# Altium PCB 数控_1.PcbDoc
Units mil, origin at the board's own origin, x right, y up, seen from the top; angles counter-clockwise.
Board outline 6000 x 4000 mil, 2 copper layers (Top Layer, Bottom Layer); 41 components, 70 nets, 214 pads, 0 vias.
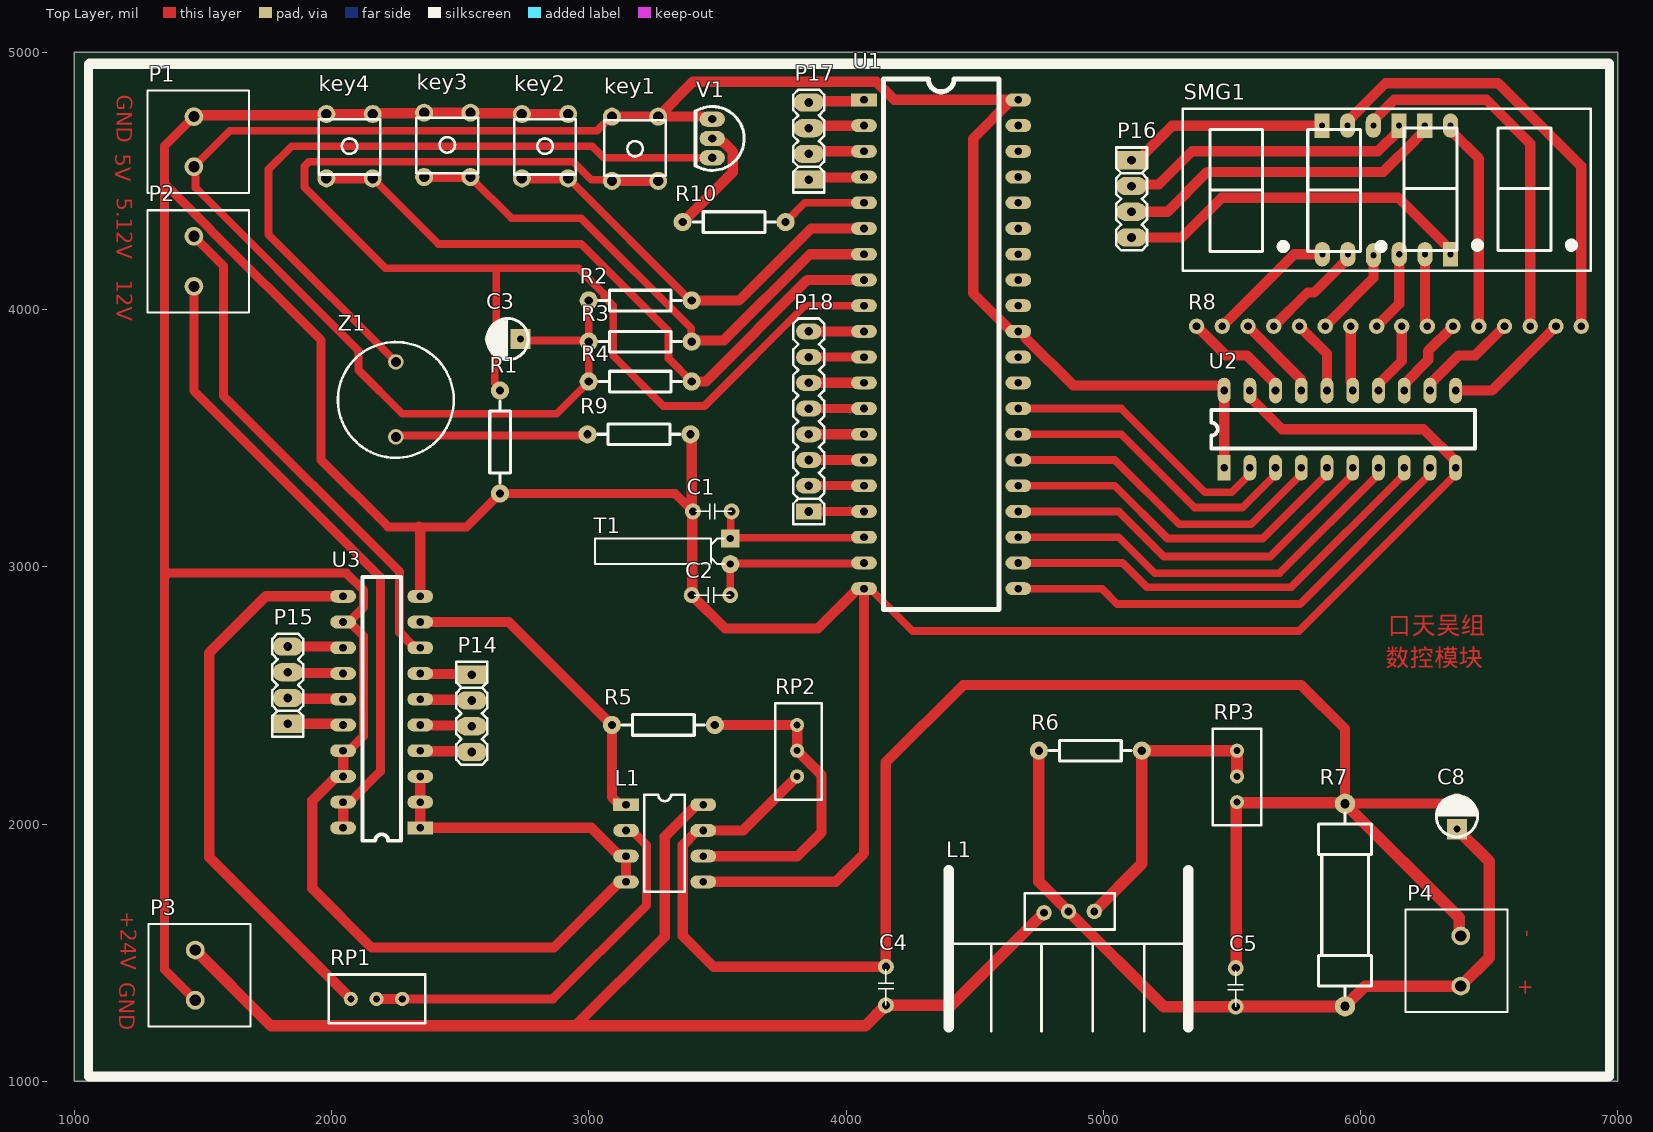
[diagram p0: Top Layer view]
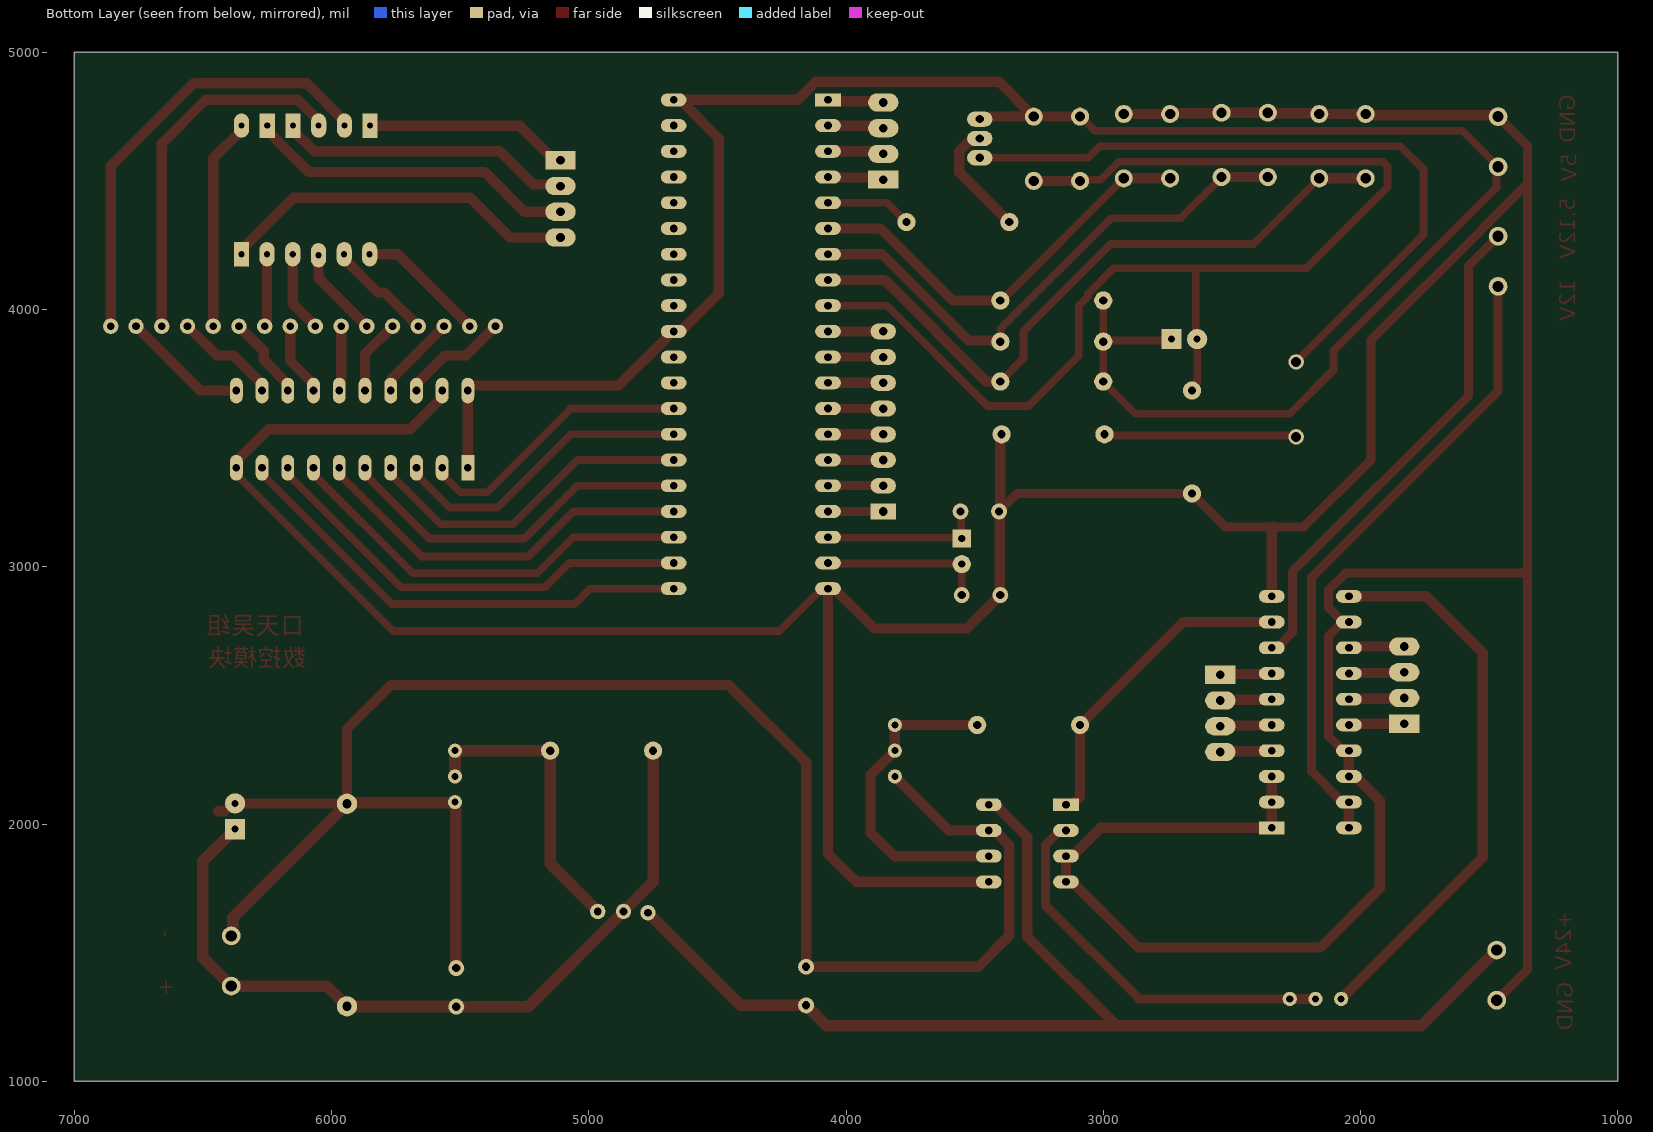
[diagram p1: Bottom Layer view, seen from below]
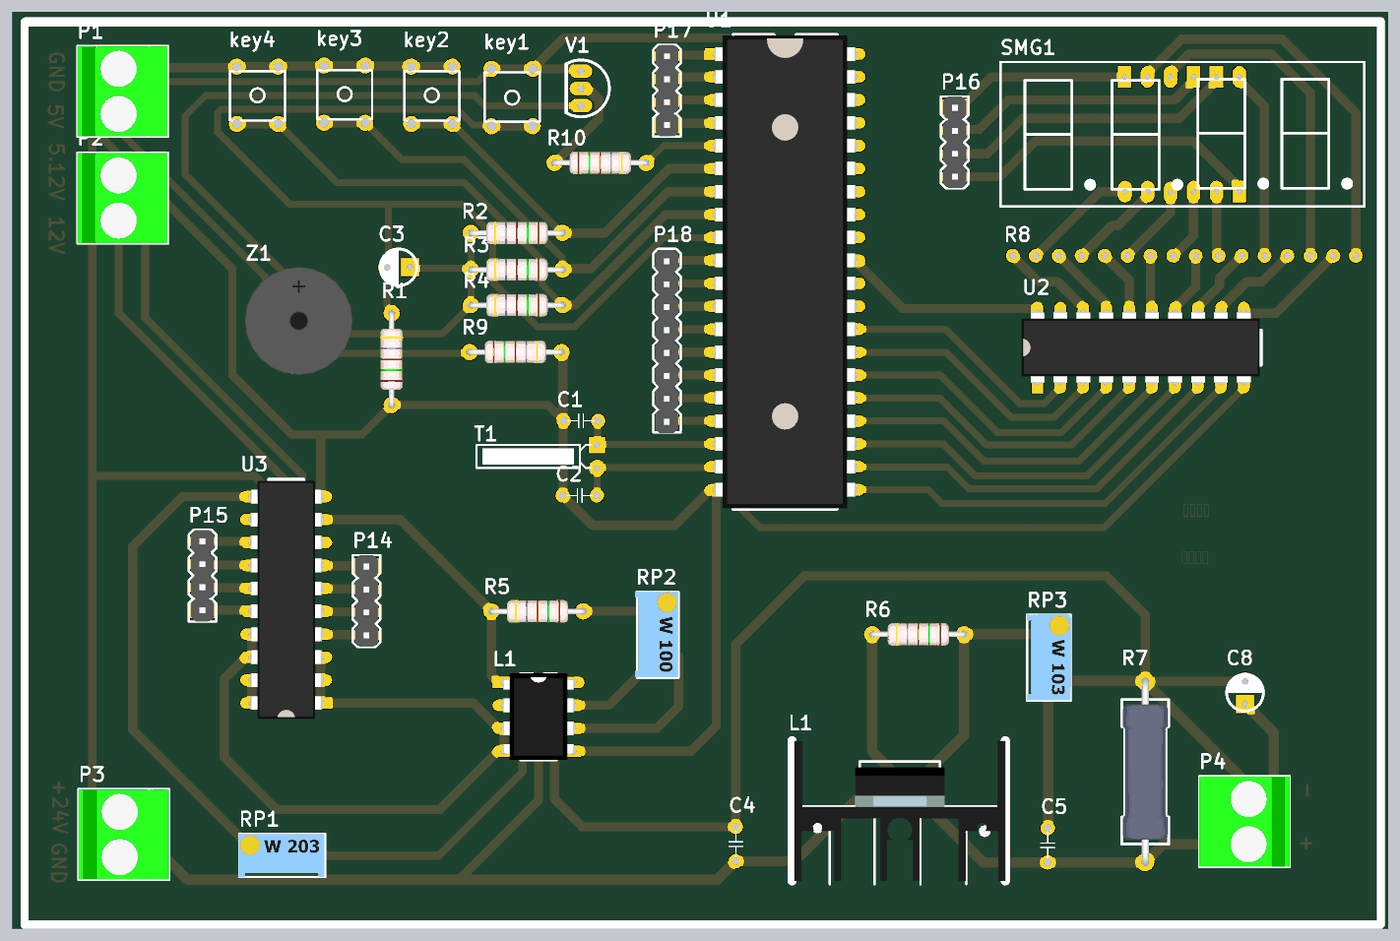
[diagram p2: 3D render of the assembled board from above, using the file's embedded part models]

## Layer stack, top to bottom
Top Solder: solder mask 0.4, Solder Resist, Dk 3.5
Top Layer: signal copper 1.4
Dielectric 1: dielectric 12.6, FR-4, Dk 4.8
Bottom Layer: signal copper 1.4
Bottom Solder: solder mask 0.4, Solder Resist, Dk 3.5

## Board outline
1000,1000 7000,1000 7000,5000 1000,5000

## Design rules (kind name [scope] priority, off if disabled: settings)
Clearance [All] p1: gap=10 ignorepadtopadclearanceinfootprint=FALSE except(0: Arc-Hole Track-Hole SMDPad-Hole THPad-Hole Via-Hole Fill-Hole Poly-Hole Region-Hole Text-Hole)
PolygonConnect [All] p1: connectstyle=Relief reliefconductorwidth=10 reliefentries=4 polygonreliefangle="90 Angle" airgapwidth=10
RoutingVias [All] p1: holewidth=28 width=50 viastyle="Through Hole" minholewidth=28 minwidth=50 maxholewidth=28 maxwidth=50
SolderMaskExpansion [All] p1: expansion=4 istentingtop=FALSE
Width [All] p1: maxlimit=80 minlimit=30 preferedwidth=40 minimp=50.000000 maximp=50.000000 favimp=50.000000
30 further rules are at their usual default settings.

## Components (designator, comment, footprint, x,y, rotation, side; value= is the part's Value field where it differs from the comment)
C1 "22P" 电容_瓷片 3480,3215 r0 top
C2 "22P" 电容_瓷片 3475,2890 r0 top
C3 "10uf" 电解电容_小 2685,3890 r180 top
C4 "0.1μF" 电容_瓷片 4155,1370 r270 top
C5 "1μF" 电容_瓷片 5515,1365 r270 top
C8 "220uf" 电解电容_小 6380,2030 r90 top
key1 "KEY_1" AN66 3180,4625 r180 top
key2 "KEY_1" AN66 2830,4635 r0 top
key3 "KEY_1" AN66 2450,4640 r0 top
key4 "KEY_1" AN66 2070,4635 r0 top
L1 "LM258" DIP8 3145,2075 r270 top
L1 "LM317_Adj" 7805散热器 4965,1660 r180 top
P1 "电源端子2P" "端子 - duplicate" 1465,4750 r0 top
P2 "电源端子2P" "端子 - duplicate" 1465,4285 r0 top
P3 "电源端子2P" "端子 - duplicate" 1470,1510 r0 top
P4 "电源端子2P" "端子 - duplicate" 6390,1370 r180 top
P14 "Header_4" Header_4 2545,2430 r270 top
P15 "Header_4" Header_4 1830,2540 r90 top
P16 "Header_4" Header_4 5110,4430 r270 top
P17 "Header_4" Header_4 3855,4655 r90 top
P18 "Header_8" Header_8 3855,3565 r90 top
R1 "10k" 1/4WA1 2655,3685 r270 top value=10K
R2 "10k" 1/4WA1 3000,4035 r0 top value=10K
R3 "10k" 1/4WA1 3000,3875 r0 top value=10K
R4 "10k" 1/4WA1 3000,3720 r0 top value=10K
R5 "1k" 1/4WA1 3090,2385 r0 top value=10K
R6 "200" 1/4WA1 4750,2285 r0 top value=10K
R7 "10" AXIAL-20*5MM-W 5940,1685 r90 top value=10K
R8 "100" "RES_PACK - 2" 5362.76,3935 r0 top value=10K
R9 "100" 1/4WA1 3395,3515 r180 top value=10K
R10 "100" 1/4WA1 3765,4340 r180 top value=10K
RP1 "20k" 3296-203 2075,1320 r0 top value=10K
RP2 "10k" 3296-100 3810,2385 r270 top value=10K
RP3 "500" 3296-103 5520,2285 r270 top value=10K
SMG1 "数码管" "4IN1B - 0.4英寸" 6305,4800 r0 top
T1 "11.0592KHZ" 晶振_小 3400,3060 r270 top
U1 "STC89C52" DIP40 4370,3865 r270 top
U2 "74HC245" DIP20 5470,3385 r0 top
U3 "DAC0832" DIP20 2345,1985 r90 top
V1 "9012" 三极管PNP 3480,4665 r270 top
Z1 "BUZZER" BUZZER 2250,3796.34 r180 top

## Footprints (in the part's own frame and the unit in brackets; to place one, negate y for a bottom-side part, rotate by r counter-clockwise, add the part's x,y. Pads: shape width x height; smd on the part's side, far side on the other; paste and mask are expansions set on the pad)
1/4WA1 [mm]
  round 1.8 hole 0.813: 1(0,0) 2(10.16,0)
  silkscreen extent 1.02,-1.02 9.14,1.02, body extent -0.27,-1.28 10.49,1.24, height 2
"4IN1B - 0.4英寸" [mm]
  oval 1.5x2.4 hole 0.6: a(-9.017,-2.159) b(1.143,-2.159) c(-3.917,-14.859) d(-8.997,-14.859) dp(-6.457,-14.959) e(-11.517,-14.859) f(-6.477,-2.159) g(-1.377,-14.859)
  rect 1.5x2.4 hole 0.6: H1(-11.557,-2.159) H2(-3.937,-2.159) H3(-1.397,-2.159) H4(1.143,-14.859)
  silkscreen extent -25.3,-16.5 15,-0.5
3296-100 [mm]
  round 1.4 hole 0.7: 1(0,0) 2(5.08,0) 3(2.54,0)
  silkscreen extent -2.16,-2.16 7.37,2.41, body extent -2.22,-2.41 7.3,2.41, height 11.73
3296-103 [mm]
  round 1.4 hole 0.7: 1(0,0) 2(5.08,0) 3(2.54,0)
  silkscreen extent -2.16,-2.41 7.37,2.41, body extent -2.22,-2.41 7.3,2.41, height 11.73
3296-203 [mm]
  round 1.4 hole 0.7: 1(0,0) 2(5.08,0) 3(2.54,0)
  silkscreen extent -2.16,-2.39 7.37,2.41, body extent -2.22,-2.42 7.3,2.41, height 11.63
7805散热器 [mil]
  round 60 hole 30: 1(0,0) 2(100,0) 3(195,5)
  silkscreen extent -365,-160 565,465, body extent -366,-160 556,450, height 976
AN66 [mil]
  round 70 hole 40: 1(-90,125) 1(90,125) 2(-90,-125) 2(90,-125)
  silkscreen extent -120,-110 120,105
AXIAL-20*5MM-W [mm] "2W电阻"
  round 2 hole 0.9: 1(-10,0) 2(10,0)
  silkscreen extent -8.98,-2.6 9.07,2.6, body extent -10.43,-2.51 10.37,2.49, height 5.8
BUZZER [mil]
  round 60 hole 39: 1(0,0) 2(0,291.34)
  silkscreen extent -225,-77 225,373, body extent -236,-91 236,381, height 299
DIP8 [mil]
  rect 50x100 hole 30: 1(0,0)
  oval 50x100 hole 30: 2(100,0) 3(200,0) 4(300,0) 5(300,300) 6(200,300) 7(100,300) 8(0,300)
  silkscreen extent -39,71 339,229, body extent -39,-5 339,305, height 173
DIP20 [mil]
  rect 50x100 hole 30: 1(0,0)
  oval 50x100 hole 30: 2(100,0) 3(200,0) 4(300,0) 5(400,0) 6(500,0) 7(600,0) 8(700,0) 9(800,0) 10(900,0) 11(900,300) 12(800,300) 13(700,300) 14(600,300) 15(500,300) 16(400,300) 17(300,300) 18(200,300) 19(100,300) 20(0,300)
  silkscreen extent -50,75 975,225, body extent -70,-5 970,305, height 169
DIP40 [mil]
  rect 50x100 hole 30: 1(-950,-300)
  oval 50x100 hole 30: 2(-850,-300) 3(-750,-300) 4(-650,-300) 5(-550,-300) 6(-450,-300) 7(-350,-300) 8(-250,-300) 9(-150,-300) 10(-50,-300) 11(50,-300) 12(150,-300) 13(250,-300) 14(350,-300) 15(450,-300) 16(550,-300) 17(650,-300) 18(750,-300) 19(850,-300) 20(950,-300) 21(950,300) 22(850,300) 23(750,300) 24(650,300) 25(550,300) 26(450,300) 27(350,300) 28(250,300) 29(150,300) 30(50,300) 31(-50,300) 32(-150,300) 33(-250,300) 34(-350,300) 35(-450,300) 36(-550,300) 37(-650,300) 38(-750,300) 39(-850,300) 40(-950,300)
  silkscreen extent -1031,-225 1031,225, body extent -1031,-306 1032,306, height 197
Header_4 [mm] "插针"
  rect 1.8x3 hole 0.85: 1(-3.81,0)
  oval 1.8x3 hole 0.85: 2(-1.27,0) 3(1.27,0) 4(3.81,0)
  silkscreen extent -5.08,-1.52 5.08,1.52, body extent -5.08,-1.27 5.08,1.27, height 8.54
Header_8 [mm] "插针"
  rect 1.575x2.5 hole 0.85: 1(-8.89,0)
  oval 1.575x2.5 hole 0.85: 2(-6.35,0) 3(-3.81,0) 4(-1.27,0) 5(1.27,0) 6(3.81,0) 7(6.35,0) 8(8.89,0)
  silkscreen extent -10.16,-1.52 10.16,1.52, body extent -10.26,-1.24 10.06,1.3, height 8.54
"RES_PACK - 2" [mil]
  round 60 hole 30: 1(0,0) 2(100,0) 3(200,0) 4(300,0) 5(400,0) 6(500,0) 7(600,0) 8(700,0) 9(797.24,0) 10(897.24,0) 11(997.24,0) 12(1097.24,0) 13(1197.24,0) 14(1297.24,0) 15(1397.24,0) 16(1495.67,0)
  body extent -42,-26 1540,25, height 10
三极管PNP [mm] "三极管PNP"
  oval 1.5x2.5 hole 0.8: B(0,0) C(1.905,0) E(-1.905,0)
  silkscreen extent -3.15,-1.7 3.15,3.15
晶振_小 [mm] "晶振"
  rect 1.8x1.8 hole 0.7: 1(-1.27,3.81)
  round 1.8 hole 0.7: 2(1.27,3.81)
  rect 1.778x10.16 on Top Overlay: 3(0,-3.81)
  silkscreen extent -1.27,-9.53 1.27,3.18
电容_瓷片 [mil] "电容"
  round 62 hole 32: 1(-75,0) 2(75,0)
  silkscreen extent -65,-30 75,30
电解电容_小 [mm] "电解电容"
  rect 2x2 hole 0.7: 1(-1.27,0.127)
  round 2 hole 0.7: 2(1.27,0.127)
  silkscreen extent -2.03,-1.91 2.03,2.16
"端子 - duplicate" [mm] "2"
  round 1.85 hole 1.1: 1(0,0) 2(0,-4.953)
  silkscreen extent -4.6,-7.54 5.46,2.57, body extent -4.56,-7.49 5.44,2.51, height 14.45

## Part data
C1 C2 C4 C5: library part 电容_瓷片, "瓷片电容"
C3 C8: library part 电解电容_小, "电解电容"
L1: library part LM317, "可调直流稳压芯片"
P1 P2 P3 P4: "电源端子", =电源端子2P
P14 P15 P16 P17 P18: "插针"
  P14 P15 P16 P17: Comm=插针4
  P18: Comm=插针8
R1 R2 R3 R4 R5 R6 R9 R10: library part Res_3, "1/4W电阻器", Package Description=AXIAL0.3-AXIA1.0, Package Reference=AXIAL, Component Link1Description=元件数据连接1，一般是生产厂商的元件描述连接。, Component Link 1URL=元件厂商的网站连接1，通常是主页地址，如http://www.st.com/, Component Link 2URL=元件厂商的网站连接2，通常是元件数据说明文件地址，如http://www.fairchildsemi.com/ds/2N%2F2N3904.pdf, ComponentLink2  Description=元件数据连接2，一般是生产厂商的元件数据库连接。, Created=制造厂商, Datasheet Version=Apr-2016, Kind=General, Latest Revision Date=13-Apr-2016, Latest Revision Note=最近的应用笔记修订本, LatestRevisionDate=13-Apr-2016, Object=Resistor, PackageVersion=Apr-2016, Published=13-Apr-2016, Publisher="Altium Limited", Spice Prefix=R, SubKind=Resistor, Type=Resistor
R7: library part Res_7, "5W电阻器", Package Description=AXIAL0.3-AXIA1.0, Package Reference=AXIAL, Component Link1Description=元件数据连接1，一般是生产厂商的元件描述连接。, Component Link 1URL=元件厂商的网站连接1，通常是主页地址，如http://www.st.com/, Component Link 2URL=元件厂商的网站连接2，通常是元件数据说明文件地址，如http://www.fairchildsemi.com/ds/2N%2F2N3904.pdf, ComponentLink2  Description=元件数据连接2，一般是生产厂商的元件数据库连接。, Created=制造厂商, Datasheet Version=Apr-2016, Kind=General, Latest Revision Date=13-Apr-2016, Latest Revision Note=最近的应用笔记修订本, LatestRevisionDate=13-Apr-2016, Object=Resistor, PackageVersion=Apr-2016, Published=13-Apr-2016, Publisher="Altium Limited", Spice Prefix=R, SubKind=Resistor, Type=Resistor
R8: library part Res_Pack8, "排阻", Package Description=AXIAL0.3-AXIA1.0, Package Reference=AXIAL, Component Link1Description=元件数据连接1，一般是生产厂商的元件描述连接。, Component Link 1URL=元件厂商的网站连接1，通常是主页地址，如http://www.st.com/, Component Link 2URL=元件厂商的网站连接2，通常是元件数据说明文件地址，如http://www.fairchildsemi.com/ds/2N%2F2N3904.pdf, ComponentLink2  Description=元件数据连接2，一般是生产厂商的元件数据库连接。, Created=制造厂商, Datasheet Version=Apr-2016, Kind=General, Latest Revision Date=13-Apr-2016, Latest Revision Note=最近的应用笔记修订本, LatestRevisionDate=13-Apr-2016, Object=Resistor, PackageVersion=Apr-2016, Published=13-Apr-2016, Publisher="Altium Limited", Spice Prefix=R, SubKind=Resistor, Type=Resistor
RP1 RP2 RP3: library part RESVR, "滑动触点电位器", Package Description=AXIAL0.3-AXIA1.0, Package Reference=AXIAL, Component Link1Description=元件数据连接1，一般是生产厂商的元件描述连接。, Component Link 1URL=元件厂商的网站连接1，通常是主页地址，如http://www.st.com/, Component Link 2URL=元件厂商的网站连接2，通常是元件数据说明文件地址，如http://www.fairchildsemi.com/ds/2N%2F2N3904.pdf, ComponentLink2  Description=元件数据连接2，一般是生产厂商的元件数据库连接。, Created=制造厂商, Datasheet Version=Apr-2016, Kind=General, Latest Revision Date=13-Apr-2016, Latest Revision Note=最近的应用笔记修订本, LatestRevisionDate=13-Apr-2016, Object=Resistor, PackageVersion=Apr-2016, Published=13-Apr-2016, Publisher="Altium Limited", Spice Prefix=R, SubKind=Resistor, Type=Resistor
SMG1: library part 4位数码管
T1: library part 晶振_小, "晶振"
U1: "51系列单片机", Package Description=DIP-40, Component Link1Description=元件数据连接1，一般是生产厂商的元件描述连接。, Component Link 1URL=元件厂商的网站连接1，通常是主页地址，如http://www.st.com/, Component Link 2URL=元件厂商的网站连接2，通常是元件数据说明文件地址，如http://www.fairchildsemi.com/ds/2N%2F2N3904.pdf, ComponentLink2  Description=元件数据连接2，一般是生产厂商的元件数据库连接。, Created=制造厂商, Datasheet Version=Jun-2016, Kind=General, Latest Revision Date=5-Jun-2016, Latest Revision Note=最近的应用笔记修订本, Published=5-Jun-2016, Publisher="Altium Limited", Spice Prefix=U, SubKind=Chip
U2: "总线驱动器"
U3: "数模转换器件", Package Description=封装描述, Component Link1Description=元件数据连接1，一般是生产厂商的元件描述连接。, Component Link 1URL=元件厂商的网站连接1，通常是主页地址，如http://www.st.com/, Component Link 2URL=元件厂商的网站连接2，通常是元件数据说明文件地址，如http://www.fairchildsemi.com/ds/2N%2F2N3904.pdf, ComponentLink2  Description=元件数据连接2，一般是生产厂商的元件数据库连接。, Created=制造厂商, Datasheet Version=Apr-2016, Kind=General, Latest Revision Date=14-Apr-2016, Latest Revision Note=最近的应用笔记修订本, LatestRevisionDate=5-Sep-2016, Published=14-Apr-2016, Publisher="Altium Limited", Spice Prefix=U, SubKind=Chip, 价格=0.0
V1: library part 9012三极管, "PNP三极管"
Z1: "蜂鸣器"

## Nets (pads, with @x,y where several pads share a name; then routed paths per layer and width w, separated by ;. In a path a pad name is that pad's centre, name@x,y a point inside that pad or via, vN(x,y) a via of type N, cw(c..) or ccw(c..) an arc to the next point about the centre after c; other vN are vias at no path point)
5.12v: P2.1 U3.8 | length 1981.8
  Top Layer w35: P2.1 1580,4170 1580,3665 2265,2980 2265,2745 2312.5,2697.5 2312.5,2696.56 2324.06,2685 U3.8@2325,2685
  Top Layer w40: U3.8@2320,2685 U3.8
5v: C3.1 key1.2 P1.2 R2.1 R3.1 R4.1 U1.31 U1.40 U2.1 U2.20 V1.E | length 8507.8
  Top Layer w30: C3.1 2740,3880 2995,3880 R3.1 ; R2.1 R3.1 ; key1.2@3090,4750 3086.86,4750 3031.86,4695 1605,4695 P1.2 1471.42,4548.58 1471.42,4473.58 2105,3840 2105,3765 2275,3595 2875,3595 R4.1 R3.1
  Top Layer w40: key1.2@3090,4750 key1.2@3270,4750 ; V1.E 3455.16,4740 3445.16,4750 key1.2@3270,4750 ; U1.40 U1.40@4645,4815 ; U2.1 5470,3700.38 5465.38,3705 4882.78,3705 4696.91,3890.87 4696.91,3910.38 4692.29,3915 4642.29,3915 4495,4062.29 4495,4665 U1.40@4645,4815 ; key1.2@3270,4750 3405,4885 4117.43,4885 4187.43,4815 U1.40@4645,4815
12v: P2.2 U3.19 U3.20 | length 2480
  Top Layer w35: P2.2 1465,3685 2190,2960 2190,2205 U3.19@2070,2085
  Top Layer w40: U3.20 U3.19 U3.19@2070,2085
24v: C4.2 L1.3@4770,1655 L1.8 P3.1 | length 4685
  Top Layer w35: L1.8@3420,2075 L1.8
  Top Layer w40: 2947.79,1215 3295,1562.21 3295,1950 L1.8@3420,2075
  Top Layer w45: P3.1 1765,1215 2947.79,1215 4075,1215 C4.2 4410,1295 L1.3@4770,1655
a: R8.16 SMG1.a | length 1742.7
  Top Layer w40: SMG1.a 5950,4732.72 6097.28,4880 6535,4880 6858.43,4556.57 R8.16
A0: U1.28 U2.2 | length 1088.6
  Top Layer w30: U1.28 5070,3615 5395,3290 5500,3290 U2.2@5570,3360
  Top Layer w40: U2.2@5570,3360 U2.2
A1: U1.27 U2.3 | length 1196.9
  Top Layer w30: U1.27 5070,3515 5355,3230 5540,3230 U2.3@5670,3360
  Top Layer w40: U2.3@5670,3360 U2.3
A2: U1.26 U2.4 | length 1309.3
  Top Layer w30: U1.26 5045,3415 5295,3165 5575,3165 U2.4@5770,3360
  Top Layer w40: U2.4@5770,3360 U2.4
A3: U1.25 U2.5 | length 1413.5
  Top Layer w30: U1.25 5045,3315 5250,3110 5620,3110 U2.5@5870,3360
  Top Layer w40: U2.5@5870,3360 U2.5
A4: U1.24 U2.6 | length 1530
  Top Layer w30: U1.24 5060,3215 5235,3040 5650,3040 U2.6@5970,3360
  Top Layer w40: U2.6@5970,3360 U2.6
A5: U1.23 U2.7 | length 1642.5
  Top Layer w30: U1.23 5060,3115 5200,2975 5685,2975 U2.7@6070,3360
  Top Layer w40: U2.7@6070,3360 U2.7
A6: U1.22 U2.8 | length 1746.6
  Top Layer w30: U1.22 5075,3015 5170,2920 5730,2920 U2.8@6170,3360
  Top Layer w40: U2.8@6170,3360 U2.8
A7: U1.21 U2.9 | length 1859
  Top Layer w30: U1.21 4995,2915 5055,2855 5765,2855 U2.9@6270,3360
  Top Layer w40: U2.9@6270,3360 U2.9
b: R8.12 SMG1.b | length 825.6
  Top Layer w40: SMG1.b 6350,4697.28 6460,4587.28 R8.12
c: R8.8 SMG1.c | length 316.5
  Top Layer w40: R8.8 6150.79,4023.03 SMG1.c
d: R8.4 SMG1.d | length 414.4
  Top Layer w40: R8.4 5793.99,4066.23 5819.74,4066.23 5950.79,4197.28 SMG1.d
DEEP: R10.1 U1.5 | length 336.1
  Top Layer w30: R10.1 3840,4415 U1.5
dp: R8.6 SMG1.dp | length 353.9
  Top Layer w40: R8.6 6050.79,4123.03 SMG1.dp
e: R8.2 SMG1.e | length 504.8
  Top Layer w40: R8.2 5742.76,4215 SMG1.e
f: R8.14 SMG1.f | length 1443.1
  Top Layer w40: SMG1.f 6050,4734.2 6130.8,4815 6490,4815 6660,4645 R8.14
g: R8.10 SMG1.g | length 283.8
  Top Layer w40: SMG1.g 6250.79,3949.62 6260,3940.41 R8.10
GND: C1.1 C2.1 key2.1 key3.1 key4.1 L1.3@3145,1875 L1.4 L1.5 P1.1 P3.2 R1.2 R9.1 U1.20 U2.10 U2.19 U3.1 U3.2 U3.3 U3.10 U3.12 U3.17 U3.18 | length 19683
  Top Layer w30: U1.20@4095,2915 4260,2750 5760,2750 U2.10@6370,3360
  Top Layer w35: P1.1 1350,4635 1350,4485 ; P3.2 1350,1435 1350,2960 ; U3.17@2067.29,2285 2125,2342.71 2125,2730 U3.12@2070,2785 ; U3.12@2067.29,2785 2125,2842.71 2125,2907.78 2057.78,2975 1365,2975 1350,2960 ; C1.1 3400.79,3219.21 3335,3285 R1.2 2525,3155 2340,3155 2220,3155 1960,3415 1960,3880 1528.92,4311.08 1528.92,4311.48 1355.39,4485 1350,4485 ; 1350,2960 1350,4485
  Top Layer w40: P1.1 1470,4755 1975,4755 1980,4760 2160,4760 2162.5,4762.5 2357.5,4762.5 2360,4765 2540,4765 2542.5,4762.5 2737.5,4762.5 2740,4760 key2.1@2920,4760 ; U3.12 2067.29,2785 U3.12@2070,2785 ; U3.17@2067.29,2285 U3.17 U3.18 2020,2185 1925,2090 1925,1750 2155,1520 2865,1520 3120,1775 L1.4 3145,1875 3120,1875 3010,1985 U3.1 U3.2 U3.3 ; 2340,3155 2345,3150 U3.10 U3.10@2370,2885 ; R9.1 3400.79,3509.21 C1.1@3400.79,3219.21 ; C1.1 3402.5,3212.5 3402.5,2892.5 C2.1 3530,2760 3890,2760 4045,2915 U1.20 ; L1.5 3960,1775 4070,1885 U1.20 ; U1.20@4095,2915 U1.20 ; U2.19 5570,3660 5695,3535 6245,3535 6370,3410 U2.10 U2.10@6370,3360
H1: P16.1 SMG1.H1 | length 795.9
  Top Layer w40: P16.1 5133.62,4580 5268.62,4715 SMG1.H1
H2: P16.2 SMG1.H2 | length 1161.2
  Top Layer w40: P16.2 5115.91,4485.91 5215.91,4485.91 5345,4615 6067.72,4615 6150,4697.28 SMG1.H2 SMG1.H2@6140.47,4705.47
H3: P16.3 SMG1.H3 | length 1290
  Top Layer w40: P16.3 5250,4380 5405,4535 6089.2,4535 6212.19,4657.99 6212.19,4659.47 6250,4697.28 SMG1.H3
H4: P16.4 SMG1.H4 | length 1405.7
  Top Layer w40: P16.4 5305,4280 5460,4435 6147.72,4435 6350,4232.72 SMG1.H4
K1: key2.2 R2.2 U1.6 | length 1642.7
  Top Layer w30: key2.2@2920,4510 3395,4035 R2.2
  Top Layer w40: key2.2@2740,4510 key2.2@2920,4510 ; R2.2 3584.37,4035 3864.37,4315 U1.6
K2: key3.2 R3.2 U1.7 | length 2145.2
  Top Layer w30: key3.2@2540,4515 2700,4355 2970,4355 3398.13,3926.87 3398.13,3876.87 R3.2
  Top Layer w40: key3.2@2360,4515 key3.2@2540,4515 ; R3.2 3405,3880 3525,3880 3860,4215 U1.7
K3: key4.2 R4.2 U1.8 | length 2642.4
  Top Layer w30: key4.2@2160,4510 2415,4255 2667.93,4255 2970,4255 3310,3915 3310,3810 R4.2
  Top Layer w40: key4.2@1980,4510 key4.2@2160,4510 ; R4.2 3455,3720 3850,4115 U1.8
NetC5_2: C5.2 C8.1 L1.2@4865,1660 P4.1 R6.1 R7.1 | length 3091.4
  Top Layer w35: C5.2 C5.2@5515.65,1290.65 ; R7.1@5939.35,1290.65 R7.1
  Top Layer w45: R6.1 4750,1775 4865,1660 5235,1290 C5.2 ; C5.2@5515.65,1290.65 R7.1@5939.35,1290.65 ; R7.1 6018.7,1370 P4.1 6500,1480 6500,1855 C8.1
NetL1_1: L1.1@4965,1660 R6.2 RP3.1 RP3.3 | length 1171.6
  Top Layer w45: L1.1@4965,1660 5150,1845 R6.2 RP3.1 RP3.3
NetL1_2: L1.2@3145,1975 RP1.2 RP1.3 | length 1537.4
  Top Layer w35: RP1.2 2860,1320 3225,1685 3225,1917.29 L1.2@3167.29,1975
  Top Layer w40: RP1.3 RP1.2 ; L1.2@3145,1975 L1.2@3167.29,1975
NetL1_6: L1.6 R5.2 RP2.1 RP2.3 | length 1274.6
  Top Layer w40: L1.6 3811.57,1875 3905,1968.43 3905,2190 RP2.3 RP2.1 R5.2
NetP14_1: P14.1 U3.7 | length 202.1
  Top Layer w40: U3.7 2346.91,2583.09 2541.91,2583.09 P14.1
NetP14_2: P14.2 U3.6 | length 202.1
  Top Layer w40: U3.6 2346.91,2483.09 2541.91,2483.09 P14.2
NetP14_3: P14.3 U3.5 | length 202.1
  Top Layer w40: U3.5 2346.91,2383.09 2541.91,2383.09 P14.3
NetP14_4: P14.4 U3.4 | length 202.1
  Top Layer w40: U3.4 2346.91,2283.09 2541.91,2283.09 P14.4
NetP15_1: P15.1 U3.16 | length 217.1
  Top Layer w40: P15.1 2012.29,2390 2017.29,2385 U3.16
NetP15_2: P15.2 U3.15 | length 217.1
  Top Layer w40: P15.2 1833.09,2486.91 2043.09,2486.91 U3.15
NetP15_3: P15.3 U3.14 | length 217.1
  Top Layer w40: P15.3 1833.09,2586.91 2043.09,2586.91 U3.14
NetP15_4: P15.4 U3.13 | length 217.1
  Top Layer w40: P15.4 2012.29,2690 2017.29,2685 U3.13
NetP17_1: P17.1 U1.4 | length 219.1
  Top Layer w40: P17.1 3863.09,4513.09 4068.09,4513.09 U1.4
NetP17_2: P17.2 U1.3 | length 219.1
  Top Layer w40: P17.2 3886.97,4605 3896.97,4615 U1.3
NetP17_3: P17.3 U1.2 | length 219.1
  Top Layer w40: P17.3 3886.97,4705 3896.97,4715 U1.2
NetP17_4: P17.4 U1.1 | length 219.1
  Top Layer w40: P17.4 3860,4810 4065,4810 U1.1
NetP18_1: P18.1 U1.17 | length 215
  Top Layer w35: P18.1 U1.17
NetP18_2: P18.2 U1.16 | length 215
  Top Layer w35: P18.2 U1.16
NetP18_3: P18.3 U1.15 | length 215
  Top Layer w40: P18.3 U1.15
NetP18_4: P18.4 U1.14 | length 215
  Top Layer w40: P18.4 U1.14
NetP18_5: P18.5 U1.13 | length 215
  Top Layer w35: P18.5 U1.13
NetP18_6: P18.6 U1.12 | length 215
  Top Layer w40: P18.6 U1.12
NetP18_7: P18.7 U1.11 | length 215
  Top Layer w35: P18.7 U1.11
NetP18_8: P18.8 U1.10 | length 215
  Top Layer w40: P18.8 U1.10
NetR8_1: R8.1 U2.18 | length 425.4
  Top Layer w40: R8.1 5476.21,3821.54 5558.46,3821.54 5670,3710 U2.18
NetR8_3: R8.3 U2.17 | length 335.8
  Top Layer w40: R8.3 5768.09,3729.67 5768.09,3686.91 U2.17
NetR8_5: R8.5 U2.16 | length 294.4
  Top Layer w40: R8.5 5870,3827.76 U2.16
NetR8_7: R8.7 U2.15 | length 253
  Top Layer w40: R8.7 5962.76,3719.95 5970,3712.71 U2.15
NetR8_9: R8.9 U2.14 | length 287.3
  Top Layer w40: U2.14 6070,3710 6160,3800 R8.9
NetR8_11: R8.11 U2.13 | length 328.7
  Top Layer w40: U2.13 6170,3710 6264.04,3804.04 6264.04,3839.04 R8.11
NetR8_13: R8.13 U2.12 | length 408.2
  Top Layer w40: U2.12 6270,3710 6381.54,3821.54 6446.54,3821.54 R8.13
NetR8_15: R8.15 U2.11 | length 496.1
  Top Layer w40: U2.11 6510,3685 R8.15 R8.15@6760,3932.5
NetR9_2: R9.2 Z1.2 | length 754.6
  Top Layer w30: Z1.2 2255,3510 2990,3510 R9.2
  Top Layer w40: Z1.2 Z1.2@2255.41,3505
NetR10_2: R10.2 V1.B | length 455.2
  Top Layer w40: R10.2 3559.21,4534.21 3559.21,4614.66 3524.34,4649.53 3520.31,4649.53 3504.84,4665 V1.B
NetRP1_1: RP1.1 U3.11 | length 2208.9
  Top Layer w40: U3.11@2070,2885 U3.11 1745,2885 1525,2665 1525,1870 RP1.1
NetV1_C: V1.C Z1.1 | length 2734.6
  Top Layer w30: Z1.1 1755,4291.34 1755,4545 1845,4635 3013.45,4635 3058.45,4590 V1.C
O1: C4.1 C5.1 C8.2 L1.7 P4.2 R7.2 RP2.2 RP3.2 | length 7097.5
  Top Layer w40: RP2.2 3600,1975 L1.7 3422.71,1975 3365,1917.29 3365,1565 3485,1445 C4.1 4155,2240 4455,2540 5770,2540 5940,2370 R7.2 ; C5.1 C5.1@5517.5,1442.5 ; RP3.2@5517.5,2082.5 RP3.2 RP3.2@5522.89,2082.11 ; R7.2@5936.59,2082.11 R7.2 ; P4.2@6383.72,1571.28 P4.2 ; 6440.63,2049.37 6416.11,2049.37 6385.48,2080 C8.2 6374.35,2079.35 5940.65,2079.35 R7.2
  Top Layer w45: C5.1@5517.5,1442.5 RP3.2@5517.5,2082.5 ; RP3.2@5522.89,2082.11 R7.2@5936.59,2082.11 ; R7.2 6383.72,1634.98 P4.2@6383.72,1571.28
RET: C3.2 key1.1 R1.1 U1.9 | length 4801.4
  Top Layer w30: R1.1@2666.06,3685 R1.1 2655,3696.06 2635,3716.06 C3.2 2640,3890 2640,4160 ; key1.1@3090,4500 3085.15,4504.85 3010,4504.85 2939.85,4575 1912.57,4575 1895,4557.43 1895,4475 2210,4160 2640,4160 ; U1.9 3840,4015 3450,3625 3290,3625 3095,3820 3095,4015 3060.43,4049.57 3060.43,4060.03 2960.23,4160.23 2960,4160 2640,4160
  Top Layer w40: key1.1@3090,4500 key1.1@3270,4500
RFB: L1.1@3145,2075 R5.1 U3.9 | length 1258.1
  Top Layer w40: U3.9 2690,2785 R5.1 3090,2105 3120,2075 L1.1@3145,2075
XTAL1: C2.2 T1.2 U1.19 | length 645.6
  Top Layer w30: C2.2 T1.2 3552.5,3012.5 4067.5,3012.5 U1.19 U1.19@4067.5,3017.5
XTAL2: C1.2 T1.1 U1.18 | length 629.1
  Top Layer w30: T1.1@3552.5,3107.5 T1.1 T1.1@3552.5,3112.5 ; C1.2 3552.5,3212.5 T1.1@3552.5,3112.5 ; U1.18 4067.5,3112.5 T1.1@3552.5,3112.5
pads on no net: T1.3 U1.29 U1.30 U1.32 U1.33 U1.34 U1.35 U1.36 U1.37 U1.38 U1.39
copper on no net: | length 129.8
  Top Layer w40: 4670,4115 4671.91,4116.91 ; 4670,4315 4671.91,4316.91 ; 4670,4615 4671.91,4616.91 ; 4671.91,4016.91 4670,4015 4697.71,4015 ; 4671.91,4216.91 4670,4215 4697.71,4215 ; 4671.91,4416.91 4670,4415 4697.71,4415 ; 4671.91,4516.91 4670,4515 4697.71,4515

## Other copper
Top Layer:
  text "GND" at 1165,4835 h60 r270
  text "5V" at 1160,4605 h60 r270
  text "5.12V" at 1165,4435 h60 r270
  text "12V" at 1165,4115 h60 r270
  text "口天吴组" at 6105,2715 h118.11
  text "数控模块" at 6097.16,2590.47 h118.11
  text "+24V" at 1180,1660 h60 r270
  text "-" at 6669.99,1560 h60 r90
  text "GND" at 1175,1385 h60 r270
  text "+" at 6665,1330 h60 r90

## Silkscreen, mask and mechanical layers (free items; w line width, h text height)
Top Overlay:
  lines w35: 1055,1017.99 1055,4955 ; 6967.27,1018.45 6967.27,4955.46
  lines w40: 1056.76,1018.45 6962.27,1018.45 ; 1060,4955 6965.51,4955